# Altium PCB Dashcam BB V2.0 A.PcbDoc (part 2 of 2) (continued)
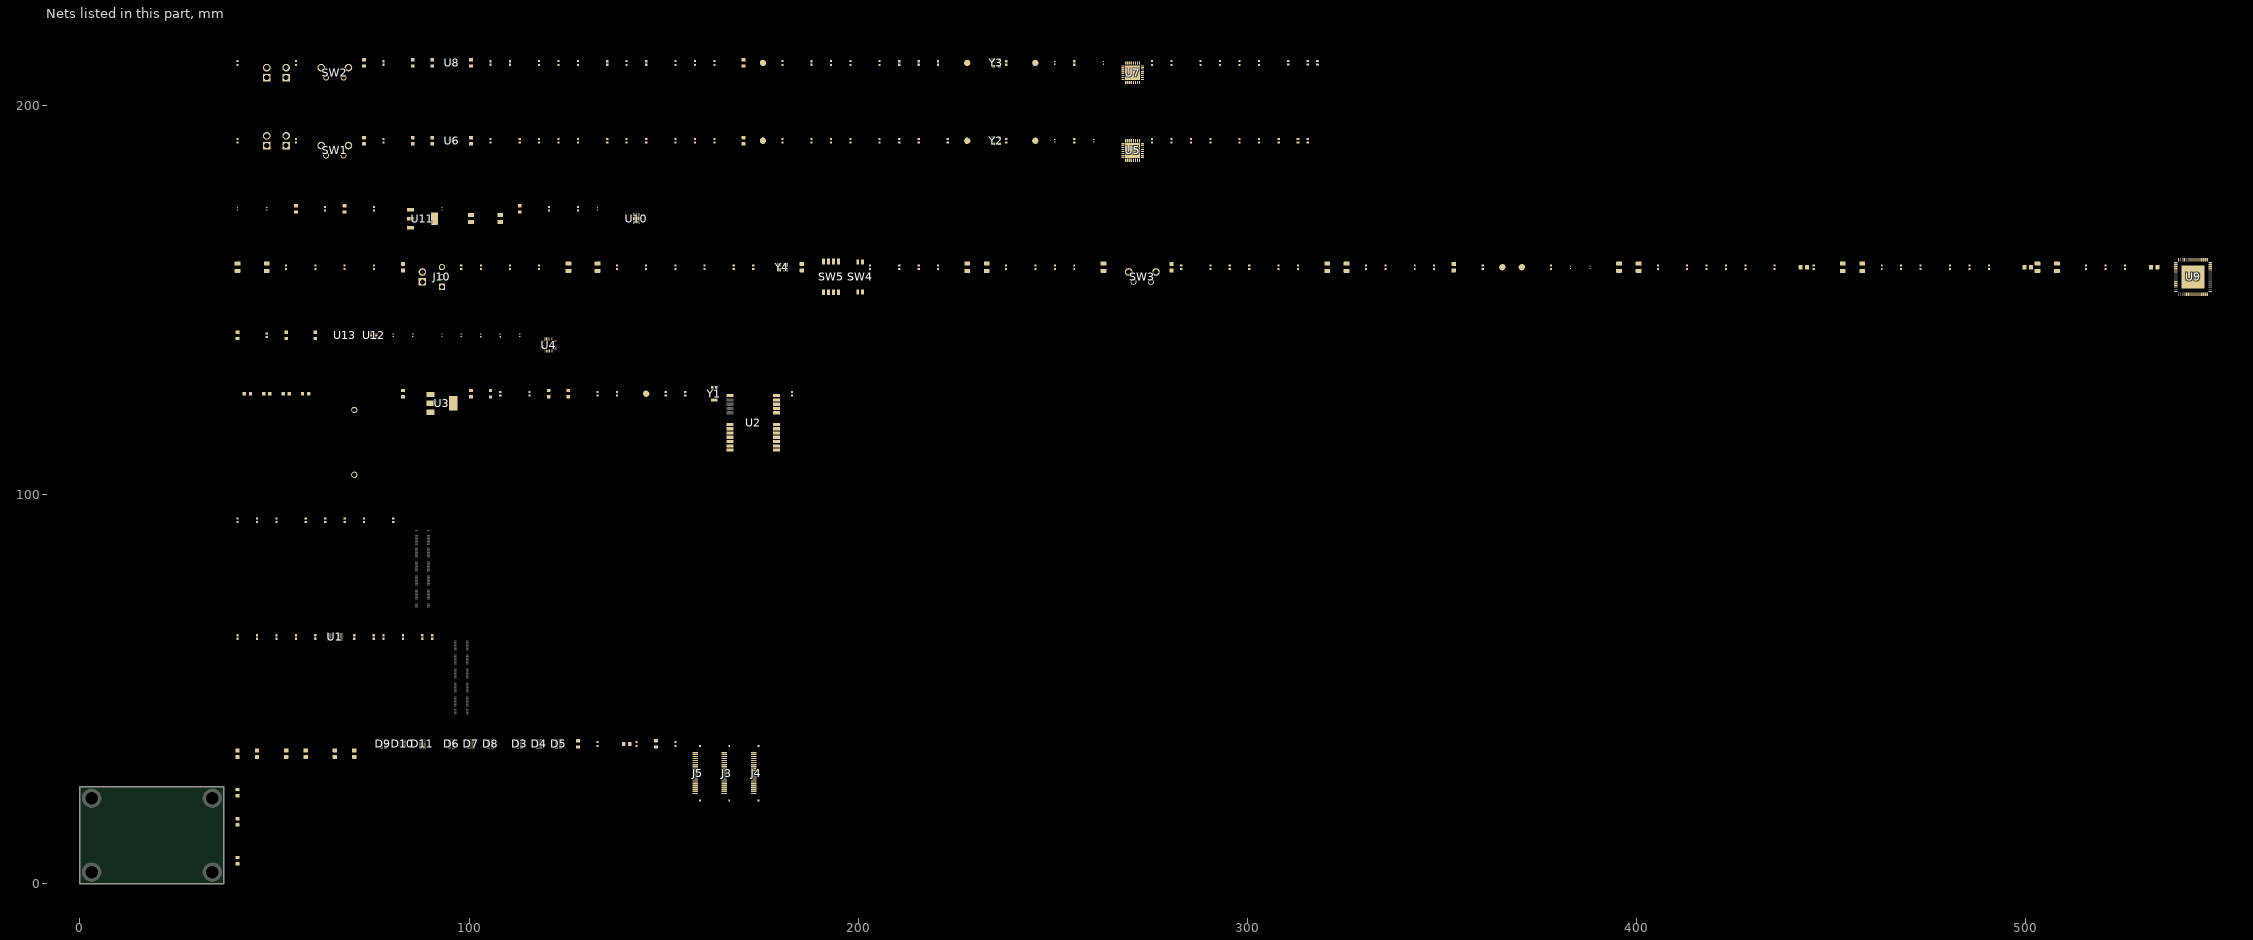
[diagram p2: the nets of this part, all layers, seen from the top]
## Part data (continued)
FB1 FB2 FB3 FB4 FB5 FB6: library part IND_FERRITA_1K_450mA_BLM18AG102SN1D, "Ferrite Beads Multi-Layer 1KOhm 25% 100MHz 450mA 500mOhm DCR 0603 T/R", Case Code (Imperial)=0603, Case Code (Metric)=1608, Current Rating=400mA, DC Resistance (DCR)=500mR, DC Resistance-Max=700mR, Frequency=100MHz, Manufacturer=Murata, Max Operating Temperature=125°C, Min Operating Temperature=-55°C, Package Quantity=1, RMS Current (Irms)=450mA, Supplier Part Number 1=490-1015-1-ND, Tolerance=25%, Case/Package=0603, Category="Ferrite Beads and Chips", ComponentLink1Description=https://datasheet.ciiva.com/1012/l0110s0100blm18a-1012016.pdf?src-supplier=Digikey, ComponentLink1URL=https://datasheet.ciiva.com/1012/l0110s0100blm18a-1012016.pdf?src-supplier=Digikey, ComponentLink2Description=https://datasheet.ciiva.com/5709/1756147-5709056.pdf?src-supplier=Farnell, ComponentLink2URL=https://datasheet.ciiva.com/5709/1756147-5709056.pdf?src-supplier=Farnell, ComponentLink3Description=https://datasheet.ciiva.com/11795/0900766b80032ea2-11795437.pdf?src-supplier=Rs, ComponentLink3URL=https://datasheet.ciiva.com/11795/0900766b80032ea2-11795437.pdf?src-supplier=Rs, ComponentLink4Description=https://datasheet.ciiva.com/29347/442253-da-01-en-chip-drossel-0603-1000r-400ma-1-6x0-8mm-29347887.pdf?src-supplier=Conrad, ComponentLink4URL=https://datasheet.ciiva.com/29347/442253-da-01-en-chip-drossel-0603-1000r-400ma-1-6x0-8mm-29347887.pdf?src-supplier=Conrad, ComponentLink5Description=https://datasheet.ciiva.com/41449/001172220-da-01-en-drossel-0603-1000r-1-6x0-8mm-4000st-41449508.pdf?src-supplier=Conrad, ComponentLink5URL=https://datasheet.ciiva.com/41449/001172220-da-01-en-drossel-0603-1000r-1-6x0-8mm-4000st-41449508.pdf?src-supplier=Conrad, ComponentLink6Description=https://datasheet.ciiva.com/1012/l0110s0100blm18a-1012014.pdf?src-supplier=Digikey, ComponentLink6URL=https://datasheet.ciiva.com/1012/l0110s0100blm18a-1012014.pdf?src-supplier=Digikey, ComponentLink7Description=https://datasheet.ciiva.com/1012/l0110s0100blm18a-1012015.pdf?src-supplier=Digikey, ComponentLink7URL=https://datasheet.ciiva.com/1012/l0110s0100blm18a-1012015.pdf?src-supplier=Digikey, ComponentLink8Description=https://datasheet.ciiva.com/16199/l0110s0100blm18a-16199225.pdf?src-supplier=Future+Electronics, ComponentLink8URL=https://datasheet.ciiva.com/16199/l0110s0100blm18a-16199225.pdf?src-supplier=Future+Electronics, ComponentLink9Description=https://datasheet.ciiva.com/8510/l0110s0100blm18a-8510154.pdf?src-supplier=Avnet, ComponentLink9URL=https://datasheet.ciiva.com/8510/l0110s0100blm18a-8510154.pdf?src-supplier=Avnet, ComponentLink10Description=https://datasheet.ciiva.com/1466/1756147-1466919.pdf?src-supplier=Element14, ComponentLink10URL=https://datasheet.ciiva.com/1466/1756147-1466919.pdf?src-supplier=Element14, ComponentLink11Description=https://datasheet.ciiva.com/1466/1756147-1466920.pdf?src-supplier=Element14, ComponentLink11URL=https://datasheet.ciiva.com/1466/1756147-1466920.pdf?src-supplier=Element14, Core Material=Ferrite, DC Current=400mA, Depth=0.8mm, Height=0.8mm, Impedance=1K, Lead Free="Lead Free", Length=1.6mm, Manufacturer Part Number=BLM18AG102SN1D, Material=Steel,Ferrite, Max Current Rating=400mA, Max DC Current=400mA, Military Standard=Not, Number of Circuits=1, Number of Lines=1, Number of Pins=2, Packaging="Tape and Reel", Pricing 1="1=0.1, 10=0.074, 25=0.0676, 50=0.0608, 100=0.0445, 250=0.0324, 500=0.02968, 1000=0.02564 (USD)", Radiation Hardening=No, Reach SVHC Compliant=No, Resistance=500mR, RoHS=Yes, RoHS Compliant=Yes, series=BLM18A, Series Resistance=500mR, Shielding=Unshielded, Stock 1=632067, Supplier 1=Digikey, Termination=SMD/SMT, Test Frequency=100MHz, Width=0.8mm
H1 H2 H3 H4: library part MECHANICALS_MOUNT_PTH, "Mounting Hole, Plated"
J1 J2: library part CONN_B2B_100P_RE_DF40C-100DS-0.4V(51), "Board-to-Board Connector with 0.4-mm Pitch, 1.5 - 4.0-mm Height - DF40 Series (HIROSE ELECTRIC)", Contact Resistance=90mR, Contact Voltage Rating (AC)=30V, Current Rating=300mA, Housing Color=Black, Manufacturer=Hirose, Max Operating Temperature=85°C, Min Operating Temperature=-35°C, Package Quantity=1, Supplier Part Number 1=H11615CT-ND, Category="Headers and Wire Housings", ComponentLink1Description=https://datasheet.ciiva.com/26948/getdatasheetpartid-441624-26948933.pdf?src-supplier=Verical, ComponentLink1URL=https://datasheet.ciiva.com/26948/getdatasheetpartid-441624-26948933.pdf?src-supplier=Verical, ComponentLink2Description=https://datasheet.ciiva.com/46408/1824826-46408894.pdf?src-supplier=Element14, ComponentLink2URL=https://datasheet.ciiva.com/46408/1824826-46408894.pdf?src-supplier=Element14, Connector Type=Receptacle, Contact Material=Bronze, Contact Pitch=400um, Contact Plating=Gold, Contact Voltage Rating (DC)=30V, Depth=3.38mm, Gender=Receptacle, Housing Material=Polymer, Lead Free="Lead Free", Length=22.6mm, Manufacturer Part Number=DF40C-100DS-0.4V(51), Mated Stacking Heights=1.5mm, Max Current Rating=300mA, Max Voltage Rating (AC)=30V, Mount="Surface Mount", Number of Contacts=100, Number of Positions=100, Number of Rows=2, Orientation=Straight, Packaging="Tape and Reel", Pitch=0.4mm, Pricing 1="1=1.91, 10=1.661, 25=1.5908, 50=1.5554, 100=1.4847, 250=1.34328, 500=1.23724, 1000=1.0605, 2500=0.9898 (USD)", Radiation Hardening=No, Reach SVHC Compliant=No, RoHS=Yes, RoHS Compliant=Yes, series=DF40, Stock 1=4275, Supplier 1=Digikey, Termination=SMD/SMT, Voltage Rating=30V
J3 J4 J5: library part CONN_FPC_22P_0.5mm_SFV22R-2STBE1HLF, "Conn FFC/FPC Connector SKT 22 POS 0.5mm Solder RA SMD Embossed T/R", Current Rating=500mA, Flammability Rating="UL94 V-0", Insulation Resistance=100MR, Manufacturer="Amphenol ICC / FCI", Max Operating Temperature=105°C, Min Operating Temperature=-55°C, Package Quantity=3000, Supplier Part Number 1=609-SFV22R-2STBE1HLFCT-ND, Voltage Rating=50V, Actuator Material=Glass,Polyphenylene, Category="FFC / FPC", ComponentLink1Description=https://datasheet.ciiva.com/18563/sfv12b-hlf-18563830.pdf?src-supplier=Digikey, ComponentLink1URL=https://datasheet.ciiva.com/18563/sfv12b-hlf-18563830.pdf?src-supplier=Digikey, Contact Location=Top, Contact Material=Bronze, Contact Plating=Gold, Housing Material=Polymer, Manufacturer Part Number=SFV22R-2STBE1HLF, Mount="Surface Mount", Number of Contacts=22, Number of Positions=22, Orientation="Right Angle", Packaging="Tape and Reel", Pitch=0.5mm, Pricing 1="1=0.74, 10=0.627, 25=0.6016, 50=0.5888, 100=0.5633, 250=0.51208, 500=0.46086, 1000=0.40966 (USD)", Radiation Hardening=No, RoHS=Yes, RoHS Compliant=Yes, series=SFV-R, Stock 1=4153, Supplier 1=Digikey, Termination=Solder, Wire/Cable Type=Straight
J6 J7 J8 J9 J11: library part CONN_HEADER_MALE_2P_2.54_61300211121, "THT Vertical Pin Header WR-PHD, Pitch 2.54 mm, Single Row, 2 pins", Color=Black, Contact Resistance=20mR, Current Rating=3A, Manufacturer="Wurth Electronics", Max Operating Temperature=125°C, Min Operating Temperature=-40°C, Operating Supply Voltage=250V, Supplier Part Number 1=732-5315-ND, Category="Headers and Wire Housings", ComponentLink1Description=https://datasheet.ciiva.com/13619/6130xx11121-48870-13619345.pdf?src-supplier=Mouser, ComponentLink1URL=https://datasheet.ciiva.com/13619/6130xx11121-48870-13619345.pdf?src-supplier=Mouser, Contact Gender=Male, Contact Material="Copper Alloy,Copper", Contact Mating Length=0.236inch, Contact Plating=Gold, Contact Type="Male Pin", Gender=29Gender, Height=8.94mm, Housing Material=PBT, Lead Free="Lead Free", Manufacturer Part Number=61300211121, Mount="Through Hole", Number of Contacts=2, Number of Positions=2, Number of Rows=1, Orientation=Vertical, Packaging=Bulk, Pitch=0.1inch, Pricing 1="1=0.13, 10=0.113, 25=0.094, 50=0.079, 100=0.071, 1000=0.065 (USD)", Reach SVHC Compliant=Unknown, RoHS=Yes, RoHS Compliant=Yes, series=WR-PHD, Stock 1=91042, Supplier 1=Digikey, Termination="Through Hole", Voltage Rating=250V
J10: library part CONN_HEADER_MALE_3P_2.54mm_TSW-103-07-G-S, "Conn Unshrouded Header HDR 3 POS 2.54mm Solder ST Top Entry Thru-Hole Bulk", Color=Black, Manufacturer=Samtec, Max Current Rating=7.6A, Max Operating Temperature=125°C, Max Voltage Rating (AC)=550V, Min Operating Temperature=-55°C, Package Quantity=1, Supplier Part Number 1=SAM1029-03-ND, Category="Board to Board Connectors", ComponentLink1Description=https://datasheet.ciiva.com/6889/tsw-xxx-xx-xxx-x-xx-xxx-mkt-6889655.pdf?src-supplier=Digikey, ComponentLink1URL=https://datasheet.ciiva.com/6889/tsw-xxx-xx-xxx-x-xx-xxx-mkt-6889655.pdf?src-supplier=Digikey, ComponentLink2Description=https://datasheet.ciiva.com/7124/tsw-th-7124622.pdf?src-supplier=Newark, ComponentLink2URL=https://datasheet.ciiva.com/7124/tsw-th-7124622.pdf?src-supplier=Newark, Contact Material=Bronze, Contact Mating Length=0.23inch, Contact Plating=Gold, Contact Type="Male Pin", Depth=2.54mm, Gender=Male, Housing Color=Black, Housing Material=Polyester, Lead Free="Lead Free", Length=7.62mm, Manufacturer Part Number=TSW-103-07-G-S, Mount="Through Hole", Number of Contacts=3, Number of Positions=3, Number of Rows=1, Orientation=Vertical, Packaging=Bulk, Pitch=2.54mm, Pricing 1="1=0.61, 10=0.494, 100=0.403, 500=0.3493, 1000=0.32848, 5000=0.28482, 10000=0.2735 (USD)", Reach SVHC Compliant=No, RoHS=Yes, RoHS Compliant=Yes, series=TSW, Stock 1=5646, Supplier 1=Digikey, Termination=Solder
L1 L2 L3 L4 L5 L6: library part IND_FERRITE_BEADS_1K_350mA_BLM15AX102SN1D, "Ferrite Beads Multi-Layer 1KOhm 25% 100MHz 350mA 490mOhm DCR 0402 Paper T/R", Case Code (Imperial)=0402, Case Code (Metric)=1005, Current Rating=350mA, DC Resistance (DCR)=490mR, Manufacturer=Murata, Manufacturer Part Number=BLM15AX102SN1D, Max Operating Temperature=125°C, Min Operating Temperature=-55°C, Package Quantity=1, Supplier Part Number 1=490-5442-1-ND, Test Frequency=100MHz, Tolerance=25%, Case/Package=0402, Category="Ferrite Beads and Chips", ComponentLink1Description=https://datasheet.ciiva.com/1012/l0110e-1012391.pdf?src-supplier=Digikey, ComponentLink1URL=https://datasheet.ciiva.com/1012/l0110e-1012391.pdf?src-supplier=Digikey, ComponentLink2Description=https://datasheet.ciiva.com/1012/l0110e-1012389.pdf?src-supplier=Digikey, ComponentLink2URL=https://datasheet.ciiva.com/1012/l0110e-1012389.pdf?src-supplier=Digikey, ComponentLink3Description=https://datasheet.ciiva.com/1012/l0110e-1012390.pdf?src-supplier=Digikey, ComponentLink3URL=https://datasheet.ciiva.com/1012/l0110e-1012390.pdf?src-supplier=Digikey, ComponentLink4Description=https://datasheet.ciiva.com/16420/l0110s0100blm15ax-sn-16420798.pdf?src-supplier=Future+Electronics, ComponentLink4URL=https://datasheet.ciiva.com/16420/l0110s0100blm15ax-sn-16420798.pdf?src-supplier=Future+Electronics, Core Material=Ferrite, DC Resistance-Max=490mR, Depth=0.5mm, Height=0.5mm, Impedance=1K, Lead Free="Lead Free", Length=1mm, Material=Steel,Ferrite, Max Current Rating=350mA, Max DC Current=350mA, Number of Circuits=1, Number of Lines=1, Number of Pins=2, Packaging="Tape and Reel", Pricing 1="1=0.1, 10=0.05, 25=0.0436, 50=0.039, 100=0.0349, 250=0.03008, 500=0.02682, 1000=0.02381, 5000=0.01775, 10000=0.01546, 20000=0.01375 (USD)", Reach SVHC Compliant=No, RMS Current (Irms)=350mA, RoHS=Yes, RoHS Compliant=Yes, series=BLM15AX_SN, Series Resistance=490mR, Stock 1=795930, Supplier 1=Digikey, Termination=SMD/SMT, Width=0.5mm
L7 L8 L9 L10 L11 L12 L13: library part IND_FERRITE_BEADS_120R_2A_0603_BLM18PG121SH1D, "Ferrite Beads Multi-Layer 120Ohm 25% 100MHz 2A 50mOhm DCR 0603 Automotive Paper T/R", Case Code (Imperial)=0603, Case Code (Metric)=1608, Current Rating=2A, DC Resistance-Max=50mR, Manufacturer=Murata, Max Operating Temperature=125°C, Min Operating Temperature=-55°C, Package Quantity=1, Ratings=AEC-Q200, Supplier Part Number 1=490-7815-6-ND, Test Frequency=100MHz, Tolerance=25%, Case/Package=0603, Category="Ferrite Beads and Chips", ComponentLink1Description=https://datasheet.octopart.com/BLM18PG121SH1D-Murata-datasheet-141273661.pdf?src-supplier=Element14, ComponentLink1URL=https://datasheet.octopart.com/BLM18PG121SH1D-Murata-datasheet-141273661.pdf?src-supplier=Element14, ComponentLink2Description=https://datasheet.octopart.com/BLM18PG121SH1D-Murata-datasheet-62086335.pdf?src-supplier=Future+Electronics, ComponentLink2URL=https://datasheet.octopart.com/BLM18PG121SH1D-Murata-datasheet-62086335.pdf?src-supplier=Future+Electronics, ComponentLink3Description=http://search.murata.co.jp/Ceramy/image/img/PDF/ENG/L0132S0193BLM18P.pdf?src-supplier=Avnet, ComponentLink3URL=http://search.murata.co.jp/Ceramy/image/img/PDF/ENG/L0132S0193BLM18P.pdf?src-supplier=Avnet, ComponentLink4Description=https://www.murata.com/en-us/products/productdata/8796738650142/ENFA0003.pdf?src-supplier=Digi-Key, ComponentLink4URL=https://www.murata.com/en-us/products/productdata/8796738650142/ENFA0003.pdf?src-supplier=Digi-Key, Contact Plating=Tin,Matte, Depth=0.8mm, Height=0.8mm, Impedance=120R, Lead Free="Lead Free", Length=1.6mm, Manufacturer Part Number=BLM18PG121SH1D, Material=Ferrite, Max Current Rating=2A, Max DC Current=2A, Mount="Surface Mount", Number of Circuits=1, Number of Lines=1, Packaging="Tape and Reel", Pricing 1="1=0.11, 10=0.086, 25=0.0772, 50=0.0566, 100=0.0489, 250=0.03864, 500=0.03262, 1000=0.02747 (USD)", RoHS=Yes, RoHS Compliant=Yes, series="EMIFIL®, BLM18P", Shielding=Unshielded, Stock 1=282143, Supplier 1=Digi-Key, Termination=SMD/SMT, Weight=7.1E-05oz, Width=0.031inch
R1 R32 R39 R43 R44 R47 R52 R56 R57 R60 R64 R65 R69 R75: library part RES_10K_5%_100mW_0402, "Res Thick Film 0402 10K Ohm 5% 1/10W ±200ppm/°C Molded SMD Punched Carrier T/R", Case Code (Imperial)=0402, Case Code (Metric)=1005, Manufacturer=Panasonic, Max Operating Temperature=155°C, Max Power Dissipation=100mW, Min Operating Temperature=-55°C, Package Quantity=10000, Ratings=AEC-Q200, Resistance=10K, Resistance Tolerance=5%, Resistor Type="Thick Film", Supplier Part Number 1=P10KJCT-ND, Temperature Coefficient=200ppm/°C, Voltage Rating=50V, Case/Package=0402, Category="Chip SMD Resistors", ComponentLink1Description=https://datasheet.ciiva.com/27055/1935721-27055112.pdf?src-supplier=Jameco, ComponentLink1URL=https://datasheet.ciiva.com/27055/1935721-27055112.pdf?src-supplier=Jameco, ComponentLink2Description=https://datasheet.ciiva.com/11821/0900766b80f806dd-11821170.pdf?src-supplier=Rs, ComponentLink2URL=https://datasheet.ciiva.com/11821/0900766b80f806dd-11821170.pdf?src-supplier=Rs, ComponentLink3Description=https://datasheet.ciiva.com/43460/1678796-43460391.pdf?src-supplier=Farnell, ComponentLink3URL=https://datasheet.ciiva.com/43460/1678796-43460391.pdf?src-supplier=Farnell, ComponentLink4Description=https://datasheet.ciiva.com/22785/1678796-22785949.pdf?src-supplier=Farnell, ComponentLink4URL=https://datasheet.ciiva.com/22785/1678796-22785949.pdf?src-supplier=Farnell, ComponentLink5Description=https://datasheet.ciiva.com/46371/1678796-46371910.pdf?src-supplier=Element14, ComponentLink5URL=https://datasheet.ciiva.com/46371/1678796-46371910.pdf?src-supplier=Element14, ComponentLink6Description=https://datasheet.ciiva.com/28514/1678796-28514154.pdf?src-supplier=Element14, ComponentLink6URL=https://datasheet.ciiva.com/28514/1678796-28514154.pdf?src-supplier=Element14, ComponentLink7Description=https://datasheet.ciiva.com/24070/aoa0000ce1-37422-24070679.pdf?src-supplier=Mouser, ComponentLink7URL=https://datasheet.ciiva.com/24070/aoa0000ce1-37422-24070679.pdf?src-supplier=Mouser, ComponentLink8Description=https://datasheet.ciiva.com/16767/70260739-16767130.pdf?src-supplier=Allied+Electronics, ComponentLink8URL=https://datasheet.ciiva.com/16767/70260739-16767130.pdf?src-supplier=Allied+Electronics, ComponentLink9Description=https://datasheet.ciiva.com/16774/70260739-16774504.pdf?src-supplier=Allied+Electronics, ComponentLink9URL=https://datasheet.ciiva.com/16774/70260739-16774504.pdf?src-supplier=Allied+Electronics, ComponentLink10Description=https://datasheet.ciiva.com/9194/aoa0000ce1-9194140.pdf?src-supplier=Avnet, ComponentLink10URL=https://datasheet.ciiva.com/9194/aoa0000ce1-9194140.pdf?src-supplier=Avnet, Contact Plating=Tin, Depth=0.5mm, Features="Automotive AEC-Q200", Height=0.35mm, Lead Free=5697LeadFree, Length=1mm, Manufacturer Part Number=ERJ-2GEJ103X, Mount="Surface Mount", Number of Terminations=2, Packaging="Cut Tape", Power Rating=100mW, Pricing 1="1=0.1, 10=0.021, 50=0.0132, 100=0.011, 500=0.00744, 1000=0.00639, 5000=0.00464 (USD)", Radiation Hardening=No, Reach SVHC Compliant=No, RoHS=Yes, RoHS Compliant=Yes, series=ERJ, Size Code=0402, Stock 1=4696986, Supplier 1=Digi-Key, Technology="THICK FILM", Termination=SMD/SMT, Tolerance=5%, Voltage Rating (DC)=50V, Width=0.5mm
R2 R7 R8 R9 R10 R11 R12 R13 R14 R15 R16 R17 R18 R19 R36 R37 R38 R40 R41 R42 R49 R50 R51 R53 R54 R55 R61 R63 R73 R74 R76: library part RES_0R_5%_100mW_0402, "SMD Chip Resistor, Jumper, 0 ohm, 100 mW, 0402 [1005 Metric], Thick Film, General Purpose", Case Code (Imperial)=0402, Case Code (Metric)=1005, Manufacturer=Panasonic, Max Operating Temperature=155°C, Max Power Dissipation=100mW, Min Operating Temperature=-55°C, Package Quantity=10000, Ratings=AEC-Q200, Resistance=0R, Resistor Type="Thick Film", Supplier Part Number 1=667-ERJ-2GE0R00X, Temperature Coefficient=600ppm/°C, Tolerance=5%, Voltage Rating=50V, Case/Package=0402, Category="Chip SMD Resistors", ComponentLink1Description=https://datasheet.ciiva.com/11821/0900766b80f806dd-11821176.pdf?src-supplier=Rs, ComponentLink1URL=https://datasheet.ciiva.com/11821/0900766b80f806dd-11821176.pdf?src-supplier=Rs, ComponentLink2Description=https://datasheet.ciiva.com/43460/1678796-43460347.pdf?src-supplier=Farnell, ComponentLink2URL=https://datasheet.ciiva.com/43460/1678796-43460347.pdf?src-supplier=Farnell, ComponentLink3Description=https://datasheet.ciiva.com/46389/1678796-46389518.pdf?src-supplier=Element14, ComponentLink3URL=https://datasheet.ciiva.com/46389/1678796-46389518.pdf?src-supplier=Element14, ComponentLink4Description=https://datasheet.ciiva.com/5959/1678796-5959692.pdf?src-supplier=Farnell, ComponentLink4URL=https://datasheet.ciiva.com/5959/1678796-5959692.pdf?src-supplier=Farnell, ComponentLink5Description=https://datasheet.ciiva.com/28695/1678796-28695758.pdf?src-supplier=Element14, ComponentLink5URL=https://datasheet.ciiva.com/28695/1678796-28695758.pdf?src-supplier=Element14, ComponentLink6Description=https://datasheet.ciiva.com/16783/70260739-16783734.pdf?src-supplier=Allied+Electronics, ComponentLink6URL=https://datasheet.ciiva.com/16783/70260739-16783734.pdf?src-supplier=Allied+Electronics, ComponentLink7Description=https://datasheet.ciiva.com/16778/70260739-16778335.pdf?src-supplier=Allied+Electronics, ComponentLink7URL=https://datasheet.ciiva.com/16778/70260739-16778335.pdf?src-supplier=Allied+Electronics, ComponentLink8Description=https://datasheet.ciiva.com/48531/aoa0000ce1-48531077.pdf?src-supplier=Avnet, ComponentLink8URL=https://datasheet.ciiva.com/48531/aoa0000ce1-48531077.pdf?src-supplier=Avnet, ComponentLink9Description=https://datasheet.ciiva.com/30097/4aoa0000ce1-30097116.pdf?src-supplier=Onlinecomponents.com, ComponentLink9URL=https://datasheet.ciiva.com/30097/4aoa0000ce1-30097116.pdf?src-supplier=Onlinecomponents.com, Construction=Rectangular, Contact Plating=Tin, Depth=0.5mm, Features="Automotive AEC-Q200", Height=0.35mm, Lead Free="Lead Free", Length=1mm, Manufacturer Part Number=ERJ-2GE0R00X, Military Standard=Not, Mount="Surface Mount", Number of Terminations=2, Packaging="Cut Tape", Power Rating=100mW, Pricing 1="1=0.1, 10=0.013, 50=0.013, 100=0.006, 1000=0.004, 2500=0.003, 10000=0.003 (USD)", Radiation Hardening=No, Reach SVHC Compliant=No, RoHS=Yes, RoHS Compliant=Yes, series=ERJ, Size Code=0402, Stock 1=10989354, Supplier 1=Mouser, Technology="THICK FILM", Termination=SMD/SMT, Voltage Rating (DC)=50V, Width=0.5mm
R3 R4: library part RES_4.7K_1%_100mW_0402, "Res Thick Film 0402 4.7K Ohm 1% 0.1W ±100ppm/°C Molded SMD Punched Carrier T/R", Case Code (Imperial)=0402, Case Code (Metric)=1005, Manufacturer=Panasonic, Max Operating Temperature=155°C, Min Operating Temperature=-55°C, Package Quantity=10000, Power Rating=100mW, Resistance=4.7K, Supplier Part Number 1=P4.70KLCT-ND, Temperature Coefficient=100ppm/°C, Tolerance=1%, Voltage Rating=50V, Category="Chip SMD Resistors", ComponentLink1Description=https://datasheet.ciiva.com/30053/aoa0000ce2-30053990.pdf?src-supplier=Onlinecomponents.com, ComponentLink1URL=https://datasheet.ciiva.com/30053/aoa0000ce2-30053990.pdf?src-supplier=Onlinecomponents.com, ComponentLink2Description=https://datasheet.ciiva.com/7830/aoa0000ce2-7830727.pdf?src-supplier=Element14, ComponentLink2URL=https://datasheet.ciiva.com/7830/aoa0000ce2-7830727.pdf?src-supplier=Element14, ComponentLink3Description=https://datasheet.ciiva.com/22781/1678782-22781576.pdf?src-supplier=Farnell, ComponentLink3URL=https://datasheet.ciiva.com/22781/1678782-22781576.pdf?src-supplier=Farnell, ComponentLink4Description=https://datasheet.ciiva.com/22667/1678782-22667886.pdf?src-supplier=Element14, ComponentLink4URL=https://datasheet.ciiva.com/22667/1678782-22667886.pdf?src-supplier=Element14, ComponentLink5Description=https://datasheet.ciiva.com/22723/1678782-22723903.pdf?src-supplier=Element14, ComponentLink5URL=https://datasheet.ciiva.com/22723/1678782-22723903.pdf?src-supplier=Element14, Height=0.35mm, Lead Free="Lead Free", Length=1mm, Manufacturer Part Number=ERJ-2RKF4701X, Packaging="Cut Tape", Pricing 1="1=0.1, 10=0.024, 50=0.015, 100=0.0125, 500=0.00848, 1000=0.00731, 5000=0.00531 (USD)", RoHS=Yes, RoHS Compliant=Yes, series=ERJ-2Rx, Stock 1=2269675, Supplier 1=Digi-Key, Technology="THICK FILM", Termination=SMD/SMT, Voltage Rating (DC)=50V, Weight=0.000388oz, Width=0.5mm
R5 R6: library part RES_1.21K_1%_63mW_0402, "Res Thick Film 0402 1.21K Ohm 1% 1/16W ±100ppm/°C Molded SMD Paper T/R", Case Code (Imperial)=0402, Case Code (Metric)=1005, Manufacturer=Vishay, Max Operating Temperature=155°C, Max Power Dissipation=63mW, Min Operating Temperature=-55°C, Package Quantity=10000, Ratings=AEC-Q200, Resistance=1.21K, Resistance Tolerance=1%, Resistor Type="Thick Film", Supplier Part Number 1=541-1.21KLCT-ND, Temperature Coefficient=100ppm/°C, Voltage Rating=50V, Case/Package=0402, Category="Chip SMD Resistors", ComponentLink1Description=https://datasheet.ciiva.com/11818/0900766b80d98824-11818004.pdf?src-supplier=Rs, ComponentLink1URL=https://datasheet.ciiva.com/11818/0900766b80d98824-11818004.pdf?src-supplier=Rs, ComponentLink2Description=https://datasheet.ciiva.com/2463/dcrcwe3-2463712.pdf?src-supplier=Digikey, ComponentLink2URL=https://datasheet.ciiva.com/2463/dcrcwe3-2463712.pdf?src-supplier=Digikey, ComponentLink3Description=https://datasheet.ciiva.com/2463/dcrcwe3-2463713.pdf?src-supplier=Digikey, ComponentLink3URL=https://datasheet.ciiva.com/2463/dcrcwe3-2463713.pdf?src-supplier=Digikey, ComponentLink4Description=https://datasheet.ciiva.com/2463/dcrcwe3-2463714.pdf?src-supplier=Digikey, ComponentLink4URL=https://datasheet.ciiva.com/2463/dcrcwe3-2463714.pdf?src-supplier=Digikey, ComponentLink5Description=https://datasheet.ciiva.com/3256/dcrcwe3-3256158.pdf?src-supplier=Avnet, ComponentLink5URL=https://datasheet.ciiva.com/3256/dcrcwe3-3256158.pdf?src-supplier=Avnet, ComponentLink6Description=https://datasheet.ciiva.com/3256/dcrcwe3-3256159.pdf?src-supplier=Avnet, ComponentLink6URL=https://datasheet.ciiva.com/3256/dcrcwe3-3256159.pdf?src-supplier=Avnet, ComponentLink7Description=https://datasheet.ciiva.com/16436/dcrcwe3-16436188.pdf?src-supplier=Future+Electronics, ComponentLink7URL=https://datasheet.ciiva.com/16436/dcrcwe3-16436188.pdf?src-supplier=Future+Electronics, ComponentLink8Description=https://datasheet.ciiva.com/16765/70201119-16765014.pdf?src-supplier=Allied+Electronics, ComponentLink8URL=https://datasheet.ciiva.com/16765/70201119-16765014.pdf?src-supplier=Allied+Electronics, ComponentLink9Description=https://datasheet.ciiva.com/7690/1697337-7690653.pdf?src-supplier=Element14, ComponentLink9URL=https://datasheet.ciiva.com/7690/1697337-7690653.pdf?src-supplier=Element14, ComponentLink10Description=https://datasheet.ciiva.com/7690/1533075-7690846.pdf?src-supplier=Element14, ComponentLink10URL=https://datasheet.ciiva.com/7690/1533075-7690846.pdf?src-supplier=Element14, Construction=Rectangular, Contact Plating=Tin, Depth=0.5mm, Features="Automotive AEC-Q200", Height=0.35mm, Lead Free="Lead Free", Length=1mm, Manufacturer Part Number=CRCW04021K21FKED, Military Standard=Not, Number of Pins=2, Number of Terminations=2, Packaging="Tape and Reel", Power Rating=63mW, Pricing 1="1=0.1, 10=0.026, 50=0.0164, 100=0.0136, 500=0.00918, 1000=0.00789, 5000=0.00576 (USD)", Radiation Hardening=No, Reach SVHC Compliant=Unknown, RoHS=Yes, RoHS Compliant=Yes, series=CRCW, Size Code=0402, Stock 1=42081, Supplier 1=Digikey, Technology="THICK FILM", Termination=SMD/SMT, Tolerance=1%, Voltage Rating (DC)=50V, Weight=2.3E-05oz, Width=0.5mm
R20 R21 R22 R23: library part RES_33R_1%_62.5mW_0402, "SMD Chip Resistor, 33 Ohm, ± 1%, 62.5 mW, 0402 [1005 Metric], Thick Film, General Purpose", Case Code (Imperial)=0402, Case Code (Metric)=1005, Manufacturer=Yageo, Max Operating Temperature=155°C, Max Power Dissipation=63mW, Min Operating Temperature=-55°C, Package Quantity=10000, Power Rating=62.5mW, Resistance=33R, Resistance Tolerance=1%, Resistor Type="Thick Film", Supplier Part Number 1=311-33.0LRCT-ND, Temperature Coefficient=100ppm/°C, Voltage Rating=50V, Case/Package=0402, Category="Chip SMD Resistors", ComponentLink1Description=https://datasheet.ciiva.com/11819/0900766b80c66297-11819487.pdf?src-supplier=Rs, ComponentLink1URL=https://datasheet.ciiva.com/11819/0900766b80c66297-11819487.pdf?src-supplier=Rs, ComponentLink2Description=https://datasheet.ciiva.com/7849/1018594-7849966.pdf?src-supplier=Element14, ComponentLink2URL=https://datasheet.ciiva.com/7849/1018594-7849966.pdf?src-supplier=Element14, ComponentLink3Description=https://datasheet.ciiva.com/7849/1018594-7849967.pdf?src-supplier=Element14, ComponentLink3URL=https://datasheet.ciiva.com/7849/1018594-7849967.pdf?src-supplier=Element14, ComponentLink4Description=https://datasheet.ciiva.com/24070/pyu-rc0402-51-rohs-l-6-r-8721-24070077.pdf?src-supplier=Mouser, ComponentLink4URL=https://datasheet.ciiva.com/24070/pyu-rc0402-51-rohs-l-6-r-8721-24070077.pdf?src-supplier=Mouser, Construction=Rectangular, Depth=0.5mm, Features="Moisture Resistant", Height=0.35mm, Lead Free="Lead Free", Length=1mm, Manufacturer Part Number=RC0402FR-0733RL, Military Standard=Not, Number of Pins=2, Number of Terminations=2, Packaging="Tape and Reel", Pricing 1="1=0.1, 10=0.015, 50=0.0088, 100=0.0073, 500=0.00488, 1000=0.00417, 5000=0.00297, 10000=0.00261, 20000=0.00231, 30000=0.00216, 50000=0.00199, 100000=0.00179 (USD)", Reach SVHC Compliant=Unknown, RoHS=Yes, RoHS Compliant=Yes, series=RC, Size Code=0402, Stock 1=4637808, Supplier 1=Digikey, Technology="THICK FILM", Termination=SMD/SMT, Tolerance=1%, Voltage Rating (AC)=50V, Voltage Rating (DC)=50V, Width=0.5mm
R24 R25: library part RES_27R_5%_100mW_0603, "Res Thick Film 0603 27 Ohm 5% 0.1W(1/10W) ±100ppm/C Pad SMD T/R", Case Code (Imperial)=0603, Case Code (Metric)=1608, Manufacturer=Yageo, Max Operating Temperature=155°C, Max Power Dissipation=100mW, Min Operating Temperature=-55°C, Resistance=27R, Resistance Tolerance=5%, Resistor Type="Thick Film", Supplier Part Number 1=311-27GRCT-ND, Temperature Coefficient=100ppm/°C, Voltage Rating=50V, Case/Package=0603, Category="Chip SMD Resistors", ComponentLink1Description=https://datasheet.ciiva.com/7746/443971-7746479.pdf?src-supplier=Element14, ComponentLink1URL=https://datasheet.ciiva.com/7746/443971-7746479.pdf?src-supplier=Element14, Features="Moisture Resistant", Lead Free="Lead Free", Manufacturer Part Number=RC0603JR-0727RL, Number of Pins=2, Number of Terminations=2, Packaging="Tape and Reel", Power Rating=100mW, Pricing 1="1=0.1, 10=0.016, 50=0.0098, 100=0.0081, 500=0.00542, 1000=0.00462 (USD)", Reach SVHC Compliant=No, RoHS=Yes, RoHS Compliant=Yes, series=RC, Size Code=0603, Stock 1=613178, Supplier 1=Digi-Key, Termination=SMD/SMT, Tolerance=5%, Voltage Rating (DC)=50V, Width=0.8mm
R26: library part RES_100K_1%_100mW_0402, "SMD Chip Resistor, 100 kOhm, ± 1%, 63 mW, 0402 [1005 Metric], Thick Film, General Purpose", Case Code (Imperial)=0402, Case Code (Metric)=1005, Manufacturer=Yageo, Max Operating Temperature=155°C, Max Power Dissipation=63mW, Min Operating Temperature=-55°C, Package Quantity=1, Resistance=100K, Resistance Tolerance=1%, Resistor Type="Thick Film", Supplier Part Number 1=311-100KLRCT-ND, Temperature Coefficient=100ppm/°C, Voltage Rating=50V, Case/Package=0402, Category="Chip SMD Resistors", ComponentLink1Description=https://datasheet.ciiva.com/11819/0900766b80c66297-11819452.pdf?src-supplier=Rs, ComponentLink1URL=https://datasheet.ciiva.com/11819/0900766b80c66297-11819452.pdf?src-supplier=Rs, ComponentLink2Description=https://datasheet.ciiva.com/22747/1018594-22747509.pdf?src-supplier=Element14, ComponentLink2URL=https://datasheet.ciiva.com/22747/1018594-22747509.pdf?src-supplier=Element14, ComponentLink3Description=https://datasheet.ciiva.com/2453/pyu-r-int-thick-7-2453362.pdf?src-supplier=Digi-Key, ComponentLink3URL=https://datasheet.ciiva.com/2453/pyu-r-int-thick-7-2453362.pdf?src-supplier=Digi-Key, ComponentLink4Description=https://datasheet.ciiva.com/12667/pyu-rc0402-51-rohs-l-6-r-12667930.pdf?src-supplier=Mouser, ComponentLink4URL=https://datasheet.ciiva.com/12667/pyu-rc0402-51-rohs-l-6-r-12667930.pdf?src-supplier=Mouser, ComponentLink5Description=https://datasheet.ciiva.com/15189/getdatasheetpartid-323696-15189334.pdf?src-supplier=Verical, ComponentLink5URL=https://datasheet.ciiva.com/15189/getdatasheetpartid-323696-15189334.pdf?src-supplier=Verical, ComponentLink6Description=https://datasheet.ciiva.com/2453/pyu-r-int-thick-7-2453363.pdf?src-supplier=Digi-Key, ComponentLink6URL=https://datasheet.ciiva.com/2453/pyu-r-int-thick-7-2453363.pdf?src-supplier=Digi-Key, ComponentLink7Description=https://datasheet.ciiva.com/2453/pyu-r-int-thick-7-2453361.pdf?src-supplier=Digi-Key, ComponentLink7URL=https://datasheet.ciiva.com/2453/pyu-r-int-thick-7-2453361.pdf?src-supplier=Digi-Key, Construction=Rectangular, Depth=0.5mm, Features="Moisture Resistant", Height=0.016inch, Lead Free=5697LeadFree, Length=0.039inch, Manufacturer Part Number=RC0402FR-07100KL, Military Standard=Not, Number of Terminations=2, Packaging="Tape and Reel", Power Rating=63mW, Pricing 1="1=0.1, 10=0.014, 50=0.0084, 100=0.007, 500=0.00464, 1000=0.00396, 5000=0.00282 (USD)", Reach SVHC Compliant=No, RoHS=Yes, RoHS Compliant=Yes, series=RC, Stock 1=27579413, Supplier 1=Digi-Key, Technology="THICK FILM", Termination=SMD/SMT, Tolerance=1%, Voltage Rating (AC)=50V, Width=0.02inch
R27: library part RES_1K_1%_100mW_0402, "RES SMD 1K OHM 1% 1/10W 0402", Case Code (Imperial)=0402, Case Code (Metric)=1005, Manufacturer=Panasonic, Max Operating Temperature=155°C, Max Power Dissipation=100mW, Min Operating Temperature=-55°C, Package Quantity=1, Resistance=1K, Resistance Tolerance=1%, Resistor Type="Thick Film", Supplier Part Number 1=P1.00KLCT-ND, Temperature Coefficient=100ppm/°C, Voltage Rating=50V, Case/Package=0402, Category="Chip SMD Resistors", Construction=Rectangular, Contact Plating=Tin, Depth=0.5mm, Features="Automotive AEC-Q200", Height=0.35mm, Lead Free="Lead Free", Length=1mm, Manufacturer Part Number=ERJ-2RKF1001X, Military Standard=Not, Mount="Surface Mount", Number of Pins=2, Number of Terminations=2, Packaging="Tape and Reel", Power Rating=100mW, Pricing 1="1=0.1, 10=0.029, 50=0.0162, 100=0.0119, 500=0.00728, 1000=0.00535, 5000=0.00384 (USD)", Reach SVHC Compliant=Yes, RoHS=Yes, RoHS Compliant=Yes, series=ERJ, Stock 1=2367361, Supplier 1=Digi-Key, Technology="THICK FILM", Termination=SMD/SMT, Tolerance=1%, Voltage Rating (DC)=50V, Width=0.5mm
R28 R29: library part RES_1K_1%_100mW_0603, "Chip Resistor Automotive Grade Thick Film 0603 1kOhm 1% Paper T/R", Case Code (Imperial)=0603, Case Code (Metric)=1608, Manufacturer=Yageo, Max Operating Temperature=155°C, Min Operating Temperature=-55°C, Power Rating=100mW, Resistance=1K, Supplier Part Number 1=13-AC0603FR-101KLDKR-ND, Temperature Coefficient=100ppm/°C, Tolerance=1%, Voltage Rating=50V, Case/Package=0603, Category="Chip SMD Resistors", ComponentLink1Description=http://www.mouser.com/ds/2/447/yageodocoutput-1111992.pdf?src-supplier=Mouser, ComponentLink1URL=http://www.mouser.com/ds/2/447/yageodocoutput-1111992.pdf?src-supplier=Mouser, Height=0.45mm, Length=1.6mm, Manufacturer Part Number=AC0603FR-101KL, Packaging="Tape and Reel", Pricing 1="1=0.10000, 10=0.02500, 100=0.01030, 1000=0.00463, 2500=0.00402, 5000=0.00332 (USD)", RoHS=Yes, RoHS Compliant=Yes, series=AC, Stock 1=108593, Supplier 1=Digi-Key, Supplier 2=Newark, Supplier 3=Mouser, Supplier Part Number 2=31AK9289, Supplier Part Number 3=603-AC0603FR-101KL, Termination=SMD/SMT, Width=0.8mm
R30 R31: library part RES_10K_1/12W_1%_0201, "SMD Chip Resistor, 10 kOhm, ± 1%, 50 mW, 0201 [0603 Metric], Thick Film, General Purpose", Case Code (Imperial)=0201, Case Code (Metric)=0603, Manufacturer=Yageo, Max Operating Temperature=125°C, Max Power Dissipation=50mW, Min Operating Temperature=-55°C, Package Quantity=10000, Resistance=10K, Resistance Tolerance=1%, Resistor Type="Thick Film", Supplier Part Number 1=311-10.0KMCT-ND, Temperature Coefficient=200ppm/°C, Voltage Rating=25V, Case/Package=0201, Category="Chip SMD Resistors", ComponentLink1Description=https://datasheet.ciiva.com/7660/1421516-7660807.pdf?src-supplier=Element14, ComponentLink1URL=https://datasheet.ciiva.com/7660/1421516-7660807.pdf?src-supplier=Element14, ComponentLink2Description=https://datasheet.ciiva.com/46391/1421516-46391339.pdf?src-supplier=Element14, ComponentLink2URL=https://datasheet.ciiva.com/46391/1421516-46391339.pdf?src-supplier=Element14, ComponentLink3Description=https://datasheet.ciiva.com/2467/pyu-r-int-thick-7-2467110.pdf?src-supplier=Digikey, ComponentLink3URL=https://datasheet.ciiva.com/2467/pyu-r-int-thick-7-2467110.pdf?src-supplier=Digikey, ComponentLink4Description=https://datasheet.ciiva.com/2467/pyu-r-int-thick-7-2467111.pdf?src-supplier=Digikey, ComponentLink4URL=https://datasheet.ciiva.com/2467/pyu-r-int-thick-7-2467111.pdf?src-supplier=Digikey, ComponentLink5Description=https://datasheet.ciiva.com/2467/pyu-r-int-thick-7-2467109.pdf?src-supplier=Digikey, ComponentLink5URL=https://datasheet.ciiva.com/2467/pyu-r-int-thick-7-2467109.pdf?src-supplier=Digikey, ComponentLink6Description=https://datasheet.ciiva.com/26829/getdatasheetpartid-421074-26829851.pdf?src-supplier=Verical, ComponentLink6URL=https://datasheet.ciiva.com/26829/getdatasheetpartid-421074-26829851.pdf?src-supplier=Verical, ComponentLink7Description=https://datasheet.ciiva.com/8891/pyu-rc0201-51-rohs-l-8-8891384.pdf?src-supplier=Avnet, ComponentLink7URL=https://datasheet.ciiva.com/8891/pyu-rc0201-51-rohs-l-8-8891384.pdf?src-supplier=Avnet, Construction=Rectangular, Contact Plating=Tin,Matte, Depth=0.3mm, Features="Moisture Resistant", Height=0.01inch, Lead Free=5697LeadFree, Length=0.6mm, Manufacturer Part Number=RC0201FR-0710KL, Military Standard=Not, Number of Pins=2NUMBER, Number of Terminations=2, Packaging="Tape and Reel", Power Rating=50mW, Pricing 1="1=0.1, 10=0.027, 50=0.0172, 100=0.0143, 500=0.00988, 1000=0.00854, 5000=0.00629 (USD)", Reach SVHC Compliant=No, RoHS=Yes, RoHS Compliant=Yes, series=RC, Stock 1=12030325, Supplier 1=Digikey, Technology="THICK FILM", Termination=SMD/SMT, Tolerance=1%, Voltage Rating (DC)=25V, Weight=6E-06oz, Width=0.012inch, Working Voltage=25V
R35 R48: library part RES_49.9R_1%_63mW_0402, "SMD Chip Resistor, 49.9 Ohm, ± 1%, 63 mW, 0402 [1005 Metric], Thick Film, General Purpose", Case Code (Imperial)=0402, Case Code (Metric)=1005, Manufacturer=Bourns, Max Operating Temperature=125°C, Max Power Dissipation=63mW, Min Operating Temperature=-55°C, Package Quantity=1, Power Rating=62.5mW, Resistance=49.9R, Supplier Part Number 1=CR0402-FX-49R9GLFCT-ND, Temperature Coefficient=100ppm/°C, Tolerance=1%, Voltage Rating=50V, Case/Package=0402, Category="Chip SMD Resistors", ComponentLink1Description=https://datasheet.ciiva.com/6562/cr0402-6562967.pdf?src-supplier=Digi-Key, ComponentLink1URL=https://datasheet.ciiva.com/6562/cr0402-6562967.pdf?src-supplier=Digi-Key, Contact Plating=Tin, Height=0.016inch, Length=0.039inch, Manufacturer Part Number=CR0402-FX-49R9GLF, Mount="Surface Mount", Number of Terminations=2, Packaging="Tape and Reel", Pricing 1="1=0.1, 10=0.012, 50=0.0064, 100=0.0052, 500=0.00332, 1000=0.0028, 5000=0.00193 (USD)", Radiation Hardening=No, RoHS=Yes, RoHS Compliant=Yes, series=CR0402, Stock 1=1080172, Supplier 1=Digi-Key, Termination=SMD/SMT, Thickness=356um, Voltage Rating (DC)=50V, Width=0.5mm
R45 R58: library part RES_402R_1%_100mW_0402, "CRCW Series 0603 0.1 W 402 Ohm ±1 % ±100 ppm/K SMT Thick Film Chip Resistor", Case Code (Imperial)=0603, Case Code (Metric)=1608, Manufacturer=Vishay, Max Operating Temperature=155°C, Max Power Dissipation=100mW, Min Operating Temperature=-55°C, Package Quantity=10, Resistance=402R, Resistance Tolerance=1%, Resistor Type="Thick Film", Supplier Part Number 1=71-CRCW0603-402-E3, Temperature Coefficient=100ppm/°C, Voltage Rating=75V, Case/Package=0603, Category="Chip SMD Resistors", ComponentLink1Description=https://datasheet.ciiva.com/11811/0900766b80d98afc-11811706.pdf?src-supplier=Rs, ComponentLink1URL=https://datasheet.ciiva.com/11811/0900766b80d98afc-11811706.pdf?src-supplier=Rs, ComponentLink2Description=https://datasheet.ciiva.com/2465/dcrcwe3-2465870.pdf?src-supplier=Digikey, ComponentLink2URL=https://datasheet.ciiva.com/2465/dcrcwe3-2465870.pdf?src-supplier=Digikey, ComponentLink3Description=https://datasheet.ciiva.com/2465/dcrcwe3-2465871.pdf?src-supplier=Digikey, ComponentLink3URL=https://datasheet.ciiva.com/2465/dcrcwe3-2465871.pdf?src-supplier=Digikey, ComponentLink4Description=https://datasheet.ciiva.com/2465/dcrcwe3-2465872.pdf?src-supplier=Digikey, ComponentLink4URL=https://datasheet.ciiva.com/2465/dcrcwe3-2465872.pdf?src-supplier=Digikey, ComponentLink5Description=https://datasheet.ciiva.com/3257/dcrcwe3-3257562.pdf?src-supplier=Avnet, ComponentLink5URL=https://datasheet.ciiva.com/3257/dcrcwe3-3257562.pdf?src-supplier=Avnet, ComponentLink6Description=https://datasheet.ciiva.com/3257/dcrcwe3-3257563.pdf?src-supplier=Avnet, ComponentLink6URL=https://datasheet.ciiva.com/3257/dcrcwe3-3257563.pdf?src-supplier=Avnet, ComponentLink7Description=https://datasheet.ciiva.com/7881/1697337-7881913.pdf?src-supplier=Element14, ComponentLink7URL=https://datasheet.ciiva.com/7881/1697337-7881913.pdf?src-supplier=Element14, ComponentLink8Description=https://datasheet.ciiva.com/7881/1697337-7881914.pdf?src-supplier=Element14, ComponentLink8URL=https://datasheet.ciiva.com/7881/1697337-7881914.pdf?src-supplier=Element14, ComponentLink9Description=https://datasheet.ciiva.com/22705/1697337-22705175.pdf?src-supplier=Element14, ComponentLink9URL=https://datasheet.ciiva.com/22705/1697337-22705175.pdf?src-supplier=Element14, ComponentLink10Description=https://datasheet.ciiva.com/22871/70201119-22871855.pdf?src-supplier=Allied+Electronics, ComponentLink10URL=https://datasheet.ciiva.com/22871/70201119-22871855.pdf?src-supplier=Allied+Electronics, Construction=Rectangular, Contact Plating=Tin, Depth=0.85mm, Features="Automotive AEC-Q200", Height=0.45mm, Lead Free="Lead Free", Length=1.55mm, Manufacturer Part Number=CRCW0603402RFKEA, Military Standard=Not, Number of Pins=2, Number of Terminations=2, Packaging="Tape and Reel", Power Rating=100mW, Pricing 1="1=0.1, 10=0.017, 50=0.017, 100=0.01, 1000=0.008, 10000=0.004 (USD)", Radiation Hardening=No, Reach SVHC Compliant=Unknown, RoHS=Yes, RoHS Compliant=Yes, series=CRCW, Size Code=0603, Stock 1=16183, Supplier 1=Mouser, Technology="THICK FILM", Termination=SMD/SMT, Tolerance=1%, Voltage Rating (DC)=75V, Weight=7.1E-05oz, Width=0.033inch
R46 R59 R77: library part RES_40.2K_1%_100mW_0603, "Res General Purpose Thick Film 0603 40.2K Ohm 1% 1/10W ±100ppm/°C Molded SMD Paper T/R", Case Code (Imperial)=0603, Case Code (Metric)=1608, Manufacturer=Yageo, Max Operating Temperature=155°C, Max Power Dissipation=100mW, Min Operating Temperature=-55°C, Resistance=40.2K, Resistor Type="Thick Film", Supplier Part Number 1=311-40.2KHRCT-ND, Temperature Coefficient=100ppm/°C, Tolerance=1%, Voltage Rating=50V, Working Voltage=75V, Case/Package=0603, Category="Chip SMD Resistors", ComponentLink1Description=https://datasheet.ciiva.com/12555/rc0603-272842-12555385.pdf?src-supplier=Mouser, ComponentLink1URL=https://datasheet.ciiva.com/12555/rc0603-272842-12555385.pdf?src-supplier=Mouser, Construction=Rectangular, Depth=0.8mm, Features="Moisture Resistant", Height=0.45mm, Lead Free="Lead Free", Length=1.6mm, Manufacturer Part Number=RC0603FR-0740K2L, Military Standard=Not, Mount="Surface Mount", Number of Terminations=2, Packaging="Tape and Reel", Power Rating=100mW, Pricing 1="1=0.10000, 10=0.01900, 100=0.00770, 1000=0.00345, 2500=0.00300 (USD)", RoHS=Yes, RoHS Compliant=Yes, series=RC, Stock 1=594637, Supplier 1=Digi-Key, Supplier 2=Newark, Supplier 3="Arrow Electronics", Supplier Part Number 2=82AH8157, Supplier Part Number 3=RC0603FR-0740K2L, Technology="METAL OXIDE FILM", Termination=SMD/SMT, Voltage Rating (DC)=50V, Width=0.8mm
R62: library part RES_100R_1%_100mW_0402, "Resistor Thick Film 0402 100 Ohm 1% 1/10W 100ppm/C Molded SMD Punched Carrier T/R", Case Code (Imperial)=0402, Case Code (Metric)=1005, Manufacturer=Panasonic, Max Operating Temperature=155°C, Max Power Dissipation=100mW, Min Operating Temperature=-55°C, Package Quantity=1, Resistance=100R, Resistance Tolerance=1%, Resistor Type="Thick Film", Supplier Part Number 1=667-ERJ-2RKF1000X, Temperature Coefficient=100ppm/°C, Voltage Rating=50V, Case/Package=0402, Category="Chip SMD Resistors", ComponentLink1Description=https://datasheet.ciiva.com/27056/2007311-27056035.pdf?src-supplier=Jameco, ComponentLink1URL=https://datasheet.ciiva.com/27056/2007311-27056035.pdf?src-supplier=Jameco, ComponentLink2Description=https://datasheet.ciiva.com/11821/0900766b80f80784-11821173.pdf?src-supplier=Rs, ComponentLink2URL=https://datasheet.ciiva.com/11821/0900766b80f80784-11821173.pdf?src-supplier=Rs, ComponentLink3Description=https://datasheet.ciiva.com/7830/426256-7830973.pdf?src-supplier=Element14, ComponentLink3URL=https://datasheet.ciiva.com/7830/426256-7830973.pdf?src-supplier=Element14, ComponentLink4Description=https://datasheet.ciiva.com/43467/1678782-43467223.pdf?src-supplier=Farnell, ComponentLink4URL=https://datasheet.ciiva.com/43467/1678782-43467223.pdf?src-supplier=Farnell, ComponentLink5Description=https://datasheet.ciiva.com/28514/1678782-28514175.pdf?src-supplier=Element14, ComponentLink5URL=https://datasheet.ciiva.com/28514/1678782-28514175.pdf?src-supplier=Element14, ComponentLink6Description=https://datasheet.ciiva.com/46372/1678782-46372741.pdf?src-supplier=Element14, ComponentLink6URL=https://datasheet.ciiva.com/46372/1678782-46372741.pdf?src-supplier=Element14, ComponentLink7Description=https://datasheet.ciiva.com/16776/70260748-16776427.pdf?src-supplier=Allied+Electronics, ComponentLink7URL=https://datasheet.ciiva.com/16776/70260748-16776427.pdf?src-supplier=Allied+Electronics, ComponentLink8Description=https://datasheet.ciiva.com/9186/aoa0000ce2-9186683.pdf?src-supplier=Avnet, ComponentLink8URL=https://datasheet.ciiva.com/9186/aoa0000ce2-9186683.pdf?src-supplier=Avnet, ComponentLink9Description=https://datasheet.ciiva.com/16199/aoa0000ce2-16199575.pdf?src-supplier=Future+Electronics, ComponentLink9URL=https://datasheet.ciiva.com/16199/aoa0000ce2-16199575.pdf?src-supplier=Future+Electronics, ComponentLink10Description=https://datasheet.ciiva.com/48531/aoa0000ce2-48531067.pdf?src-supplier=Avnet, ComponentLink10URL=https://datasheet.ciiva.com/48531/aoa0000ce2-48531067.pdf?src-supplier=Avnet, ComponentLink11Description=https://datasheet.ciiva.com/30260/aoa0000ce2-30260809.pdf?src-supplier=Onlinecomponents.com, ComponentLink11URL=https://datasheet.ciiva.com/30260/aoa0000ce2-30260809.pdf?src-supplier=Onlinecomponents.com, Construction=Rectangular, Contact Plating=Tin, Depth=0.5mm, Features="Automotive AEC-Q200", Height=0.35mm, Lead Free="Lead Free", Length=1mm, Manufacturer Part Number=ERJ-2RKF1000X, Military Standard=Not, Mount="Surface Mount", Number of Pins=2, Number of Terminations=2, Packaging="Tape and Reel", Power Rating=100mW, Pricing 1="1=0.1, 10=0.015, 50=0.015, 100=0.009, 1000=0.006, 10000=0.004 (USD)", Radiation Hardening=No, Reach SVHC Compliant=No, RoHS=Yes, RoHS Compliant=Yes, series=ERJ, Size Code=0402, Stock 1=10699571, Supplier 1=Mouser, Technology="THICK FILM", Termination=SMD/SMT, Tolerance=1%, Voltage Rating (DC)=50V, Width=0.5mm